# Altium PCB PCB_3U_DDS.PcbDoc (part 11 of 12)
Units mil, origin at the board's own origin, x right, y up, seen from the top; angles counter-clockwise.
Board outline 6338.37 x 3937 mil, 6 copper layers (L1, P2, L3, L4, P5, L6), stack 64.885 mil thick; 954 components, 537 nets, 3358 pads, 2342 vias.
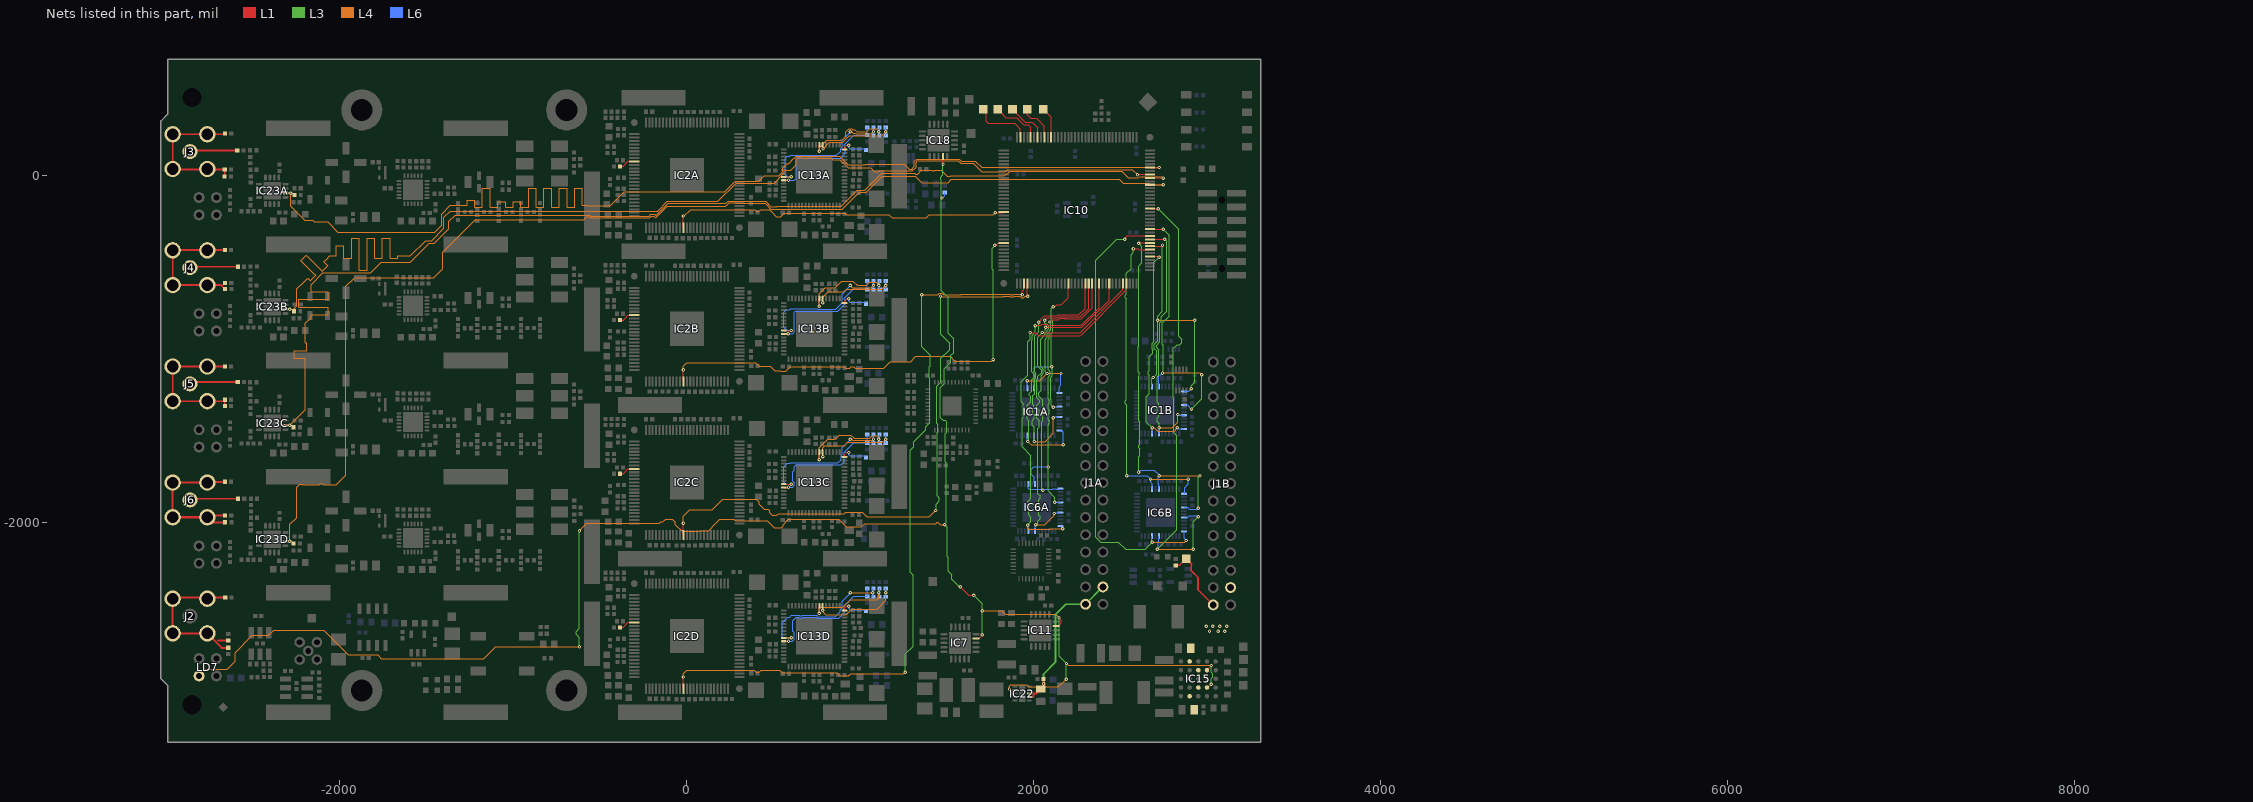
[diagram p15: the nets of this part, all layers, seen from the top]

## Via types
v1: diameter 19.68, hole 7.87, L1 to L6, tented both sides, 2254 vias
v2: diameter 23.62, hole 11.81, L1 to L6, tented both sides, 88 vias

## Nets (pads, with @x,y where several pads share a name; then routed paths per layer and width w, separated by ;. In a path a pad name is that pad's centre, name@x,y a point inside that pad or via, vN(x,y) a via of type N, cw(c..) or ccw(c..) an arc to the next point about the centre after c; other vN are vias at no path point) (continued)
P12V0: C64.2 C70.2 C181.2 C182.2 IC15.A2 IC15.B3 IC15.D3 IC15.E2 IC22.2 IC22.3 J1A.28 J1A.29 J1B.28 J1B.29 R33.2 TP18.1 | length 1358.5
  L1 w10: IC22.2@1974.41,-3007.98 1996.06,-3007.98 1998.03,-3006.01 1998.03,-2989.42 1999.16,-2988.29 ; IC22.3@1974.41,-2988.29 1999.16,-2988.29 ; C181.2@2056.25,-2905.2 v1(2056.25,-2931.2) 2056.25,-2947.79 C182.2@2041.34,-2962.7 2015.1,-2988.94 2014.45,-2988.29 1999.16,-2988.29 ; R33.2@2818.9,-2248.92 2839.76,-2248.92 TP18.1@2877.95,-2210.73 2907.48,-2240.26 ; 2908.52,-2241.3 2907.48,-2240.26 ; J1B.29@3034.65,-2477.66 2946.85,-2389.86 2946.85,-2319 2907.48,-2279.63 2907.48,-2240.26
  L3 w10: v1(2056.25,-2931.2) 2056.25,-2876.58 2124.47,-2808.35 2124.47,-2533.82 2184.99,-2473.3 J1A.29@2298.31,-2473.3 J1A.28@2398.31,-2373.3
  other v1: 3012.94,-2629.61 3062.15,-2629.61 3101.52,-2629.61 2993.25,-2600.08 3032.62,-2600.08 3071.99,-2600.08 3111.36,-2600.08
PGOOD: IC7.9 IC11.9 IC15.B4 IC15.D4 IC18.9 IC22.7 LD7.2 R53.1 | length 10758
  L1 w5.98: v1(1476.38,62.89) IC18.9@1476.38,108.17 ; v1(1575.93,-2373.7) 1625.14,-2422.92 v1(1654.67,-2422.92) ; IC7.9@1666.8,-2671.01 1686.43,-2671.01 1698.3,-2659.14 ; v1(1859.87,-2962.77) 1865.72,-2968.61 IC22.7@1891.73,-2968.61 ; IC11.9@2129.4,-2598.84 2143.18,-2598.84 2152.46,-2589.56 2152.46,-2586.41 2159.05,-2579.82 2159.05,-2566.68 v1@2149.75,-2557.39 ; IC15.D4@2998.43,-2953.54 3003.96,-2953.54 v1(3022.78,-2934.73) ; IC15.B4@2998.43,-2853.54 3022.78,-2829.19 v1(3022.78,-2826.46)
  L3 w5.98: v1(-618.95,-2718.19) -618.95,-2666.06 -637.77,-2647.25 -637.77,-2631.66 -618.95,-2612.84 v1@-618.95,-2048.9 ; v1(1476.38,62.89) 1476.38,1.42 1463.07,-11.89 1463.07,-27.48 1466.54,-30.94 1466.54,-131.58 1466.54,-665.46 1505.91,-704.83 1505.91,-911.58 1537.51,-943.19 1537.51,-1023.58 1522.51,-1038.58 1522.51,-1078.58 1483.69,-1117.4 1483.69,-1202.14 1461.35,-1224.48 1461.35,-1397.15 1477.95,-1413.75 1488.9,-1413.75 1499.35,-1424.2 1499.35,-1481.09 1489.04,-1491.4 1489.04,-1506.17 1489.04,-1638.4 1489.04,-1653.17 1494,-1658.14 1494,-2002.22 v1@1486.22,-2010 ; v1(1487.51,-2015.58) 1487.51,-2016.02 1500.08,-2028.58 1500.51,-2028.58 1500.51,-2200.99 1506.5,-2206.97 1506.5,-2283.13 1525.85,-2302.49 1525.85,-2329.1 1570.45,-2373.7 v1(1575.93,-2373.7) ; v1(1654.67,-2422.92) 1703.88,-2472.12 v1(1703.88,-2511.5) v1(1703.88,-2649.29) ; v1(2145.3,-2550.54) 2145.3,-2772.04 v1(2188.3,-2815.04) 2186.16,-2817.19 v1(2186.16,-2905.19) ; v1(3022.78,-2934.73) 3022.78,-2902.29 3032.71,-2892.36 3032.71,-2876.4 3022.78,-2866.47 v1(3022.78,-2826.46)
  L4 w5: v1(-618.95,-2048.9) -577.84,-2007.79 -160.13,-2007.79 -150.13,-1997.79 -137.68,-1997.79 -122.68,-1982.79 -85.13,-1982.79 -65.68,-2002.24 -65.68,-2014.24 -27.17,-2052.75 74.56,-2052.75 76.52,-2050.79 126.21,-2050.79 145.89,-2031.11 145.89,-2025.78 188.21,-1983.45 271.54,-1983.45 280.87,-1992.79 463.87,-1992.79 504.43,-2033.34 545.18,-2033.34 555.34,-2023.18 555.34,-2014.32 585.17,-1984.49 875.65,-1984.49 917.65,-2026.49 1006.35,-2026.49 1024.35,-2008.49 1435.35,-2008.49 1442.65,-2001.18 1447.68,-2001.18 1462.08,-2015.58 1466.54,-2015.58
  L4 w5.98: LD7.2@-2811.81,-2886.72 -2772.32,-2847.23 -2650.28,-2847.23 -2604.33,-2801.28 -2604.33,-2752.07 -2505.91,-2653.65 -2413.17,-2653.65 -2382.5,-2622.98 -2093.66,-2622.98 -1951.18,-2765.46 -1782.32,-2765.46 -1760.68,-2787.09 -1170.13,-2787.09 -1101.23,-2718.19 v1(-618.95,-2718.19) ; 1466.54,-2015.58 v1(1487.51,-2015.58) ; v1(1703.88,-2511.5) 1814.38,-2511.5 1834.79,-2531.91 2126.68,-2531.91 v1(2145.3,-2550.54) ; v1(1859.87,-2962.77) 1859.87,-2946.06 1866.85,-2939.08 1959.61,-2939.08 1970.55,-2950.02 2141.33,-2950.02 v1(2186.16,-2905.19) ; v1@2187.74,-2815.04 v1(2188.3,-2815.04) 2199.72,-2826.46 v1(3022.78,-2826.46)
  L6 w5.98: v1(1470.51,-131.58) 1474.31,-131.58 1486.51,-119.38 R53.1@1486.51,-100.09
R\E\_DE0: IC1A.1 IC1A.40 IC10.58 | length 1133
  L1 w5: v1(2062.6,-836.61) 2077.07,-822.14 2138.43,-822.14 2144.91,-815.66 2181.33,-815.66 2182.81,-817.15 2269.07,-817.15 2316.93,-769.29 IC10.58@2316.93,-624.12
  L3 w5: v1(2062.6,-836.61) 2062.6,-853.67 2066.51,-857.58 2073.92,-857.58 2086.38,-870.05 2086.38,-885.23 2077.68,-893.93 2077.68,-935.77 2066.84,-946.62 2066.84,-1132.33 v1(2077.89,-1143.39)
  L4 w5: v1(1962.6,-1185.57) 2035.72,-1185.57 v1(2077.89,-1143.39) v1(2156.64,-1143.39)
  L6 w5: IC1A.40@1962.6,-1228.45 v1(1962.6,-1185.57) ; IC1A.1@2147.64,-1256.01 2147.64,-1221.29 2156.64,-1212.29 v1(2156.64,-1143.39)
R\E\_DE1: IC1A.5 IC1A.42 IC10.52 | length 1053.8
  L1 w5: v1(2111.81,-757.87) 2121.65,-757.87 2131.5,-748.03 2157.87,-748.03 2198.82,-707.09 IC10.52@2198.82,-624.12
  L3 w5: v1(2111.81,-1338.58) 2100.18,-1326.95 2100.18,-1293.08 2098.93,-1291.84 2098.93,-1163.8 2107.2,-1155.53 2107.2,-1106.98 v1(2104.24,-1104.02) 2101.97,-1101.75 2101.97,-911.74 2110.45,-903.26 2110.45,-854.05 2110.45,-838.87 2101.97,-830.38 2101.97,-767.71 v1(2111.81,-757.87)
  L6 w5: IC1A.42@2001.97,-1228.45 2001.97,-1195.96 2001.95,-1111.07 2009,-1104.02 v1(2104.24,-1104.02) ; v1(2111.81,-1338.58) 2115.65,-1334.75 IC1A.5@2147.64,-1334.75
R\E\_DE2: IC1A.8 IC1A.19 IC10.57 | length 1469.6
  L1 w5: v1(2028.69,-848.11) 2044.27,-832.53 2044.27,-829.02 2062.14,-811.15 2133.88,-811.15 2139.37,-805.66 2185.47,-805.66 2185.97,-806.16 2260.37,-806.16 2297.24,-769.29 IC10.57@2297.24,-624.12
  L3 w5: v1(2003.54,-1535.43) 2003.54,-1454.43 1990.16,-1441.05 1990.16,-1415.46 2002.95,-1402.66 2002.95,-1381.34 1993.48,-1371.87 1993.48,-1356.68 1995.08,-1355.09 1995.08,-1347.87 2000.61,-1342.34 2000.61,-1327.16 1993.48,-1320.03 1993.48,-1271.88 2005.19,-1260.17 2005.19,-1176.09 2012.54,-1168.73 2012.54,-1144.45 2005.19,-1137.09 2005.19,-925.36 2028.69,-901.86 v1(2028.69,-848.11)
  L4 w5: v1(2003.54,-1535.43) 2065.06,-1535.43 2111.81,-1488.69 v1(2111.81,-1397.64)
  L6 w5: IC1A.19@2001.97,-1500.1 2001.97,-1533.86 v1(2003.54,-1535.43) ; v1(2111.81,-1397.64) 2115.65,-1393.8 IC1A.8@2147.64,-1393.8
R\E\_DE3: IC1A.12 IC1A.21 IC10.61 | length 1627.5
  L1 w5: v1(2009,-867.8) 2010.36,-866.44 2039.01,-866.44 2046.13,-859.31 2075.65,-859.31 2082.48,-866.14 2273.44,-866.14 2375.98,-763.6 IC10.61@2375.98,-624.12
  L3 w5: v1(1964.17,-1535.43) 1971.08,-1528.52 1971.08,-1415.74 1962.6,-1407.26 1962.6,-1386.26 1976.99,-1371.87 1976.99,-1356.68 1962.6,-1342.29 1962.6,-1325.89 1982.5,-1305.99 1982.5,-1274.38 1981.46,-1274.38 1974.74,-1267.65 1974.74,-1258.14 1986.83,-1246.05 1986.83,-1178.91 2001.56,-1164.18 2001.56,-1149 1986.83,-1134.27 1986.83,-953.02 1990.46,-949.39 1990.46,-922.1 2009,-903.56 v1(2009,-867.8)
  L4 w5: v1(1964.17,-1535.43) 1983.96,-1555.22 2028.54,-1555.22 2029.53,-1554.24 v1(2169.29,-1554.24)
  L6 w5: IC1A.21@1962.6,-1500.1 1962.6,-1533.86 v1(1964.17,-1535.43) ; IC1A.12@2147.64,-1472.54 2160.43,-1472.54 2169.29,-1481.4 v1(2169.29,-1554.24)
R\E\_DE4: IC6A.1 IC6A.40 IC10.64 | length 1737.3
  L1 w5: v1(2052.76,-1816.95) v1@2052.76,-1813.17 ; v1(2068.06,-877.64) 2277.48,-877.64 2435.04,-720.08 IC10.64@2435.04,-624.12
  L3 w5: v1(2052.76,-1816.95) 2046.63,-1810.83 2046.63,-1421.64 2052.76,-1415.52 2052.76,-1372.08 2052.54,-1371.87 2052.54,-1356.68 2052.76,-1356.47 2052.76,-1313.03 2052.54,-1312.81 2052.54,-1299 2028.13,-1274.59 2028.13,-1254.4 2042.91,-1239.62 2042.91,-1156.08 2055.85,-1143.14 2055.85,-1118.86 2039.88,-1102.88 2039.88,-945.4 2066.7,-918.58 2066.7,-888.15 2068.06,-886.79 v1(2068.06,-877.64)
  L6 w5: IC6A.40@1968.5,-1779.63 1968.5,-1805.71 1968.7,-1805.71 1974.02,-1811.02 2052.76,-1811.02 2110.01,-1811.02 2112.49,-1808.55 2127.67,-1808.55 2130.15,-1811.02 2149.71,-1811.02 IC6A.1@2153.54,-1807.19 ; v1(2052.76,-1816.95) v1@2052.76,-1813.17
R\E\_DE5: IC6A.5 IC6A.42 IC10.59 | length 1746.8
  L1 w5: v1(2092.13,-846.46) 2105.46,-833.12 2142.98,-833.12 2150.44,-825.66 2177.18,-825.66 2179.66,-828.13 2273.62,-828.13 2336.61,-765.14 IC10.59@2336.61,-624.12
  L3 w5: v1(2092.13,-846.46) 2097.37,-851.7 2097.37,-890.43 2088.67,-899.13 2088.67,-940.32 2082.28,-946.7 2082.28,-1121.86 2096.22,-1135.8 2096.22,-1150.98 2082.28,-1164.91 2082.28,-1255.76 2083.26,-1256.73 2083.26,-1291.7 2089.19,-1297.63 2089.19,-1312.81 2082.28,-1319.72 2082.28,-1349.78 2089.19,-1356.68 2089.19,-1371.87 2082.28,-1378.78 2082.28,-1408.83 2089.19,-1415.74 2089.19,-1430.92 2082.28,-1437.83 2082.28,-1566.31 2084.27,-1568.3 2084.27,-1583.48 2082.28,-1585.47 2082.28,-1682.24 2082.28,-1695.25 2083.29,-1696.25 2083.29,-1711.43 2082.28,-1712.44 2082.28,-1819.59 2121.65,-1858.96 2120.08,-1860.54 v1(2120.08,-1885.93)
  L6 w5: IC6A.42@2007.87,-1779.63 2003.4,-1775.15 2003.4,-1742.24 1986.59,-1725.44 1986.59,-1694.04 1998.4,-1682.24 v1(2083.4,-1682.24) ; v1(2120.08,-1885.93) IC6A.5@2153.54,-1885.93
R\E\_DE6: IC6A.8 IC6A.19 IC10.68 | length 2026.2
  L1 w5: v1(2048.37,-907.17) 2268.13,-907.17 2513.78,-661.52 IC10.68@2513.78,-624.12
  L3 w5: v1(2010.79,-2014.9) 2016.2,-2014.9 2023.23,-2007.87 2023.23,-1994.92 2036.04,-1982.1 2036.04,-1966.92 2028.92,-1959.79 2028.92,-1930.17 2036.04,-1923.05 2036.04,-1907.87 2028.92,-1900.74 2028.92,-1871.12 2036.04,-1863.99 2036.04,-1848.81 2023.23,-1836 2023.23,-1715.39 ; 2023.23,-1700.17 2023.23,-1460.34 2030.14,-1453.43 2030.14,-1415.74 2016.09,-1401.69 2016.09,-1386.21 2026.82,-1375.48 2027.18,-1375.48 2030.14,-1372.52 2030.14,-1356.68 2015.75,-1342.29 2015.75,-1327.2 2034.45,-1308.5 2034.45,-1299.32 2017.15,-1282.02 2017.15,-1179.66 2023.53,-1173.28 2023.53,-1159.93 2044.87,-1138.59 2044.87,-1123.41 2022.09,-1100.63 2022.09,-933.45 v1(2048.37,-907.17) ; 2023.25,-1715.37 2023.25,-1700.19
  L4 w5: v1(2010.79,-2014.9) 2062.69,-2014.9 2117.27,-1960.32 v1(2117.27,-1950.48)
  L6 w5: IC6A.19@2007.87,-2051.28 2007.87,-2017.82 v1(2010.79,-2014.9) ; v1(2117.27,-1950.48) 2117.27,-1949.34 2121.62,-1944.98 IC6A.8@2153.54,-1944.98
R\E\_DE7: IC6A.12 IC6A.21 IC10.69 | length 2178.5
  L1 w5: v1(1979.47,-907.17) 2010.14,-907.17 2029.83,-926.85 2268.13,-926.85 2275.22,-919.77
  L1 w6: 2275.22,-919.77 2533.46,-661.52 IC10.69@2533.46,-624.12
  L3 w5: v1(1964.17,-2017.72) 1983.86,-1998.03 1983.86,-1971.17 1969.49,-1956.8 1969.49,-1930.55 1976.99,-1923.05 1976.99,-1902.29 1965.55,-1890.85 1965.55,-1881.99 1983.86,-1863.69 1983.86,-1616.83 1932.09,-1565.06 1932.09,-1402.56 1940.33,-1394.31 1940.33,-1318.72 1927.54,-1305.92 1927.54,-1190.58 1964.51,-1153.6 1964.51,-959.81 1979.47,-944.84 v1(1979.47,-907.17)
  L4 w5: v1(1964.17,-2017.72) 1964.17,-2033.03 1971.52,-2040.37 2094.21,-2040.37 2095.52,-2039.06 v1(2166.48,-2039.06)
  L6 w5: v1(1964.17,-2017.72) 1968.5,-2022.05 IC6A.21@1968.5,-2051.28 ; IC6A.12@2153.54,-2023.72 2166.48,-2036.66 v1(2166.48,-2039.06)
R\E\_DE8: IC1B.1 IC1B.40 IC10.80 | length 1590.5
  L1 w6: IC10.80@2669.29,-409.55 2735.72,-409.55 v1(2741.73,-403.54)
  L3 w6: v1(2688.98,-1166.44) 2707.55,-1147.87 2707.55,-1012.05 2695.57,-1000.07 2695.57,-974.54 2714.57,-955.54 v1(2714.57,-835.73) 2714.57,-812.11 2741.73,-784.95 v1(2741.73,-403.54) ; v1(2908.46,-1230.42) 2908.46,-1214.67 2929.13,-1194 2929.13,-837.7 v1(2927.17,-835.73)
  L4 w6: v1(2714.57,-835.73) v1(2927.17,-835.73)
  L6 w6: IC1B.40@2681.1,-1218.61 2681.1,-1174.32 v1(2688.98,-1166.44) ; IC1B.1@2866.14,-1246.17 2892.72,-1246.17 v1(2908.46,-1230.42)
R\E\_DE9: IC1B.5 IC1B.42 IC10.85 | length 1554.6
  L1 w6: IC10.85@2669.29,-311.13 v1(2747.19,-311.13)
  L3 w6: v1(2741.73,-1141.73) 2745.2,-1138.26 2745.2,-979.51 2741.73,-976.04 2741.73,-852.14 2781.1,-812.77 2781.1,-345.04 v1(2747.19,-311.13) ; v1(2909.06,-1348.43) 2968.11,-1289.37 v1(2968.11,-1151.57)
  L4 w6: v1(2741.73,-1141.73) 2744.72,-1138.75 2955.28,-1138.75 v1(2968.11,-1151.57)
  L6 w6: IC1B.42@2720.47,-1232.39 IC1B.42@2720.47,-1218.61 2720.47,-1188.79 2718.97,-1187.29 2718.97,-1155.44 2724.23,-1150.17 2733.29,-1150.17 v1(2741.73,-1141.73) ; IC1B.5@2866.14,-1324.91 2885.54,-1324.91 v1(2909.06,-1348.43)
R\E\_DE10: IC1B.8 IC1B.19 IC10.82 | length 1467.5
  L1 w6: IC10.82@2669.29,-370.18 v1(2755.91,-370.18)
  L3 w6: v1(2722.05,-1456.69) 2722.05,-1431.85 2711.49,-1421.29 2711.49,-1399.89 2719.61,-1391.76 2719.61,-1376.16 2711.49,-1368.04 2711.49,-1340.83 2719.61,-1332.7 2719.61,-1317.11 2711.49,-1308.98 2711.49,-1160.88 2719.54,-1152.83 2719.54,-1007.09 2707.55,-995.11 2707.55,-979.51 2726.55,-960.51 2726.55,-850.37 2733.39,-843.53 2733.39,-815.92 2765.75,-783.57 2765.75,-380.02 v1(2755.91,-370.18)
  L4 w6: v1(2722.05,-1456.69) 2798.82,-1456.69 2830.31,-1425.2 2828.82,-1423.71 v1(2828.82,-1379.64)
  L6 w6: IC1B.19@2720.47,-1490.26 2722.05,-1488.69 v1(2722.05,-1456.69) ; v1@2830.31,-1377.95 2830.41,-1378.05 2836.32,-1383.96 IC1B.8@2866.14,-1383.96
R\E\_DE11: IC1B.12 IC1B.21 IC10.77 | length 1325.9
  L1 w6: IC10.77@2669.29,-468.61 2718.21,-468.61 v1(2722.05,-472.44)
  L3 w6: v1(2682.68,-1456.69) 2649.21,-1423.23 2649.21,-1276.65 2665.13,-1260.73 2665.13,-1152.49 2660.31,-1147.66 2660.31,-1132.07 2665.13,-1127.24 2665.13,-1048.11 2674.62,-1038.62 2675.12,-1038.62 2686.15,-1027.59 2686.15,-1007.6 2683.58,-1005.03 2683.58,-969.58 2691.66,-961.5 2691.66,-845.6 2690.38,-844.31 2690.38,-802.12 2691.66,-800.84 2691.66,-502.83 v1(2722.05,-472.44)
  L4 w6: v1(2682.68,-1456.69) 2695.42,-1456.69 2714.25,-1475.52 2808.35,-1475.52 v1(2827.15,-1456.72)
  L6 w6: IC1B.21@2681.1,-1490.26 2682.68,-1488.69 v1(2682.68,-1456.69) ; v1(2827.15,-1456.72) 2833.14,-1462.7 IC1B.12@2866.14,-1462.7
R\E\_DE12: IC6B.1 IC6B.40 IC10.79 | length 1958.8
  L1 w6: v1(2574.41,-423.23) 2580.42,-429.24 2581.15,-429.24 2586.3,-424.09 2601.89,-424.09 2607.04,-429.24 IC10.79@2669.29,-429.24
  L3 w6: v1(2535.04,-1732.28) 2535.04,-1325.84 2526.06,-1316.85 2526.06,-1301.26 2532.9,-1294.41 2532.9,-712.07 2527.04,-706.21 2527.04,-691.43 2532.9,-685.57 2532.9,-566.91 2561.19,-538.62 2561.19,-458.86 2574.41,-445.64 v1(2574.41,-423.23)
  L4 w6: v1(2672.83,-1751.97) v1(2889.37,-1751.97)
  L6 w6: v1(2535.04,-1732.28) 2653.15,-1732.28 v1(2672.83,-1751.97) 2672.83,-1771.65 2682.68,-1781.5 2682.68,-1807.58 IC6B.40@2681.1,-1809.16 ; IC6B.1@2866.14,-1836.72 2869.69,-1833.17 2869.69,-1801.18 2888.14,-1782.73 2889.37,-1782.73 v1(2889.37,-1751.97)
R\E\_DE13: IC6B.5 IC6B.42 IC10.81 | length 2150
  L1 w6: v1(2603.94,-393.7) 2607.77,-389.87 IC10.81@2669.29,-389.87
  L3 w6: v1(2603.94,-1712.6) 2603.81,-1712.47 2603.81,-1624.34 2609.43,-1618.73 2609.43,-1576 2605.78,-1572.35 2605.78,-1557.57 2609.43,-1553.92 2609.43,-1422.61 2603.94,-1417.12 2603.94,-1159.01 2608.39,-1154.55 2608.39,-1138.96 2602.53,-1133.09 2602.53,-986.99 2603.94,-985.58 2603.94,-524.58 2623.62,-504.9 2623.62,-413.39 v1(2603.94,-393.7) ; v1(2948.43,-1919.29) 2948.43,-1742.13 v1(2958.27,-1732.28)
  L4 w6: v1(2722.05,-1732.28) v1(2958.27,-1732.28)
  L6 w6: v1(2603.94,-1712.6) 2616.76,-1699.78 2694.81,-1699.78 2722.05,-1727.02 v1(2722.05,-1732.28) 2717.98,-1736.35 2717.98,-1778.82 2720.47,-1781.31 IC6B.42@2720.47,-1809.16 ; IC6B.5@2866.14,-1915.46 2888.08,-1915.46 2897.46,-1924.83 2942.88,-1924.83 v1(2948.43,-1919.29)
R\E\_DE14: IC6B.8 IC6B.19 IC10.91 | length 2724.5
  L1 w6: IC10.91@2669.29,-193.02 v1(2716.54,-193.02)
  L3 w6: v1(2712.2,-2155.51) 2823,-2044.72 2823,-1501.98 2807.21,-1486.2 2807.21,-1287.99 2805.12,-1285.89 2805.12,-998.98 2825.64,-978.46 2842.51,-978.46 2854.33,-966.64 2854.33,-946.95 2834.65,-927.27 2834.65,-311.13 v1(2716.54,-193.02) ; v1(2918.9,-2155.51) 2918.9,-1998.03 v1(2948.43,-1968.5)
  L4 w6: v1(2712.2,-2155.51) v1(2918.9,-2155.51)
  L6 w6: v1(2712.2,-2155.51) 2717.98,-2149.73 2717.98,-2113.11 2720.47,-2110.63 IC6B.19@2720.47,-2080.81 ; IC6B.8@2866.14,-1974.51 2884.14,-1974.51 2896.48,-1962.18 2942.1,-1962.18 v1(2948.43,-1968.5)
R\E\_DE15: IC6B.12 IC6B.21 IC10.83 | length 2638.6
  L1 w6: v1(2523.62,-370.18) 2523.62,-363.34 2537.33,-349.64 2542.45,-349.64 2543.31,-350.5 IC10.83@2669.29,-350.5
  L3 w6: v1(2523.62,-370.18) 2477.82,-370.18 2357.83,-490.17 2357.83,-2088.68 2385.29,-2116.14 2488.09,-2116.14 2529.53,-2157.58 2641.24,-2157.58 v1(2682.68,-2116.14)
  L4 w6: v1(2682.68,-2116.14) 2869.69,-2116.14 v1(2879.53,-2106.3)
  L6 w6: IC6B.21@2681.1,-2080.81 2681.1,-2114.57 v1(2682.68,-2116.14) ; IC6B.12@2866.14,-2053.25 2866.14,-2092.91 v1(2879.53,-2106.3)
RF_OUT0: C50A.2 J3.1 | length 275
  L1 w9.84: J3.1@-2864.17,135.72 -2857.68,142.21 C50A.2@-2591.84,142.21
RF_OUT1: C50B.2 J4.1 | length 278.7
  L1 w10: J4.1@-2864.17,-533.57 -2858.39,-527.79 C50B.2@-2587.84,-527.79
RF_OUT2: C50C.2 J5.1 | length 279.5
  L1 w10: J5.1@-2864.17,-1202.86 -2854.1,-1192.79 C50C.2@-2588.84,-1192.79
RF_OUT3: C50D.2 J6.1 | length 280
  L1 w10: J6.1@-2864.17,-1872.15 -2857.81,-1865.79 C50D.2@-2586.84,-1865.79
RFSW_CTRL0: IC10.103 IC23A.2 R20A.2 | length 6854.3
  L1 w5: IC23A.2@-2313.83,-103.03 -2284.88,-103.03 v1(-2284.13,-103.79) ; IC10.103@2669.29,43.2 v1@2722.87,43.2
  L4 w5: v1(-2284.13,-103.79) -2284.13,-178.79 -2202.13,-260.79 -2156.13,-260.79 -2147.13,-269.79 -2071.13,-269.79 -2013.13,-327.79 -1453.13,-327.79 -1414.13,-288.79 -1414.13,-224.79 -1364.13,-174.79 -1289.37,-174.79 -1267.19,-174.79 -1267.19,-145.95 -1222.82,-145.95 -1222.82,-174.79 -1222.82,-185.79 -1178.44,-185.79 -1178.44,-174.79 -1178.44,-74.79 -1134.07,-74.79 -1134.07,-174.79 -1134.07,-185.79 -1089.7,-185.79 -1089.7,-174.79 -1089.7,-152.29 -1045.33,-152.29 -1045.33,-174.79 -1045.33,-185.79 -1000.96,-185.79 -1000.96,-174.79 -1000.96,-154.25 -956.59,-154.25 -956.59,-174.79 -956.59,-185.79 -912.22,-185.79 -912.22,-174.79 -912.22,-74.79 -867.85,-74.79 -867.85,-174.79 -867.85,-185.79 -823.48,-185.79 -823.48,-174.79 -823.48,-74.79 -779.11,-74.79 -779.11,-174.79 -779.11,-185.79 -734.74,-185.79 -734.74,-174.79 -734.74,-74.79 -690.37,-74.79 -690.37,-174.79 -690.37,-185.79 -646,-185.79 -646,-174.79 -646,-74.79 -601.63,-74.79 -601.63,-174.79 -600.39,-174.79 -580.16,-174.79 -578.05,-176.89 -442.23,-176.89 -362.13,-96.79 218.73,-96.79 279.73,-35.79 415.87,-35.79 447.04,-4.62 529.71,-4.62 552.87,18.54 552.87,40.21 577.15,64.48 586.16,64.48 602.97,81.3 602.97,82.97 630,110 668.51,110 670.84,107.67 693.49,107.67 695.82,110 749.36,110 751.75,107.61 881.95,107.61 928.69,60.87 1028.06,60.87 1030.4,63.21 1253.19,63.21 1281.33,35.07 1295.7,35.07 1311.51,50.89 1311.51,78.99 1324.73,92.21 1569.02,92.21 1581,80.23 1663.85,80.23 1699.87,44.21 v1(2722.87,44.21)
RFSW_CTRL1: IC10.101 IC23B.2 R20B.2 | length 6826
  L1 w5: v1(2597.87,2.21) 2599.5,3.83 IC10.101@2669.29,3.83
  L4 w5: v1(-2288.09,-772.33) -2266.66,-772.33 -2247.78,-753.44 -2247.78,-655.44 -2208.57,-616.23 -2186.58,-594.24 -2171.15,-609.67 -2139.78,-578.3 -2155.21,-562.87 -2225.92,-492.16 -2194.54,-460.78 -2123.83,-531.49 -2102.54,-552.79 -2071.16,-521.41 -2092.46,-500.12 -2076.77,-484.43 -2057.13,-464.79 ; -2057.09,-464.79 -2020.85,-464.79 -2020.85,-407.63 -1976.48,-407.63 -1976.48,-464.79 -1976.48,-480.1 -1932.11,-480.1 -1932.11,-464.79 -1932.11,-364.79 -1887.74,-364.79 -1887.74,-464.79 -1887.74,-548.89 -1843.37,-548.89 -1843.37,-464.79 -1843.37,-364.79 -1799,-364.79 -1799,-464.79 -1799,-477.79 -1754.63,-477.79 -1754.63,-464.79 -1754.63,-364.79 -1710.26,-364.79 -1710.26,-464.79 -1710.26,-477.79 -1665.89,-477.79 -1665.89,-464.79 -1643.7,-464.79 -1594.13,-464.79 -1506.13,-376.79 -1470.13,-376.79 -1400.13,-306.79 -1400.13,-242.79 -1364.03,-206.69 -168.03,-206.69 -112.13,-150.79 178.87,-150.79 283.87,-45.79 502.69,-45.79 562.87,14.4 562.87,25.21 566.87,29.21 599.21,29.21 630,60 630,90 640,100 664.37,100 666.7,97.67 697.63,97.67 699.96,100 745.22,100 747.61,97.61 832.39,97.61 840,90 882.21,90 930,42.21 1059.02,42.21 1080.37,20.87 1102.06,20.87 1105.4,24.21 1298.98,24.21 1321.51,46.75 1321.51,74.85 1328.87,82.21 1564.87,82.21 1577.87,69.21 1651.87,69.21 1700.87,20.21 1834.87,20.21 1845.84,31.18 2568.91,31.18 v1(2597.87,2.21)
RFSW_CTRL2: IC10.100 IC23C.2 R20C.2 | length 6923.4
  L1 w5: IC10.100@2669.29,-15.85 2745.94,-15.85 v1(2746.87,-16.79)
  L4 w5: v1(-2288.09,-1441.62) -2199.13,-1352.65 -2199.13,-1309.06 -2199.13,-1055.81 -2262.81,-1055.81 -2262.81,-1011.44 -2199.13,-1011.44 -2190.66,-1011.44 -2190.66,-967.07 -2199.13,-967.07 -2199.13,-944.88 -2199.13,-854.79 -2166.13,-821.79 -2166.13,-804.9 -2066.13,-804.9 -2066.13,-760.53 -2166.13,-760.53 -2237.79,-760.53 -2237.79,-716.16 -2166.13,-716.16 -2066.13,-716.16 -2066.13,-671.79 -2166.13,-671.79 -2166.13,-649.61 -2166.13,-630.69 -2098.22,-562.79 -1960.13,-562.79 -1959.13,-563.79 -1823.63,-563.79 -1761.81,-501.97 -1595.31,-501.97 -1486.13,-392.79 -1456.13,-392.79 -1371.13,-307.79 -1371.13,-266.79 -1334.97,-230.63 -559.54,-230.63 -553.95,-236.22 -217.7,-236.22 -208.18,-226.7 -185.52,-226.7 -181.59,-230.63 -177.11,-230.63 -108.27,-161.79 225.6,-161.79 237.46,-149.93 291.93,-149.93 293,-151 455,-151 484.83,-180.83 518.99,-180.83 519.83,-180 889,-180 981,-88 1026,-88 1124.21,10.21 1314.02,10.21 1318.02,6.21 1330.83,6.21 1351.83,27.21 1412.73,27.21 1414.08,25.86 1428.44,25.86 1429.79,27.21 1466.87,27.21 1501.59,-7.5 1518.6,-7.5 1521.31,-4.79 1830.87,-4.79 1846.87,11.21 1852.93,11.21 1862.9,21.18 2507.91,21.18 2544.22,-15.13 2605.06,-15.13 2612.4,-7.79 2737.87,-7.79 v1(2746.87,-16.79)
RFSW_CTRL3: IC10.98 IC23D.2 R20D.2 | length 6922.5
  L1 w5: IC10.98@2669.29,-55.22 v1(2745.87,-55.22)
  L4 w5: v1(-2288.09,-2110.91) -2288.09,-2012.75 -2249.13,-1973.79 -2249.13,-1798.44 -2232.66,-1781.97 -2217.23,-1781.97 -2213.41,-1785.79 -2119.27,-1785.79 -2113.48,-1780 -2099.12,-1780 -2093.33,-1785.79 -2020.13,-1785.79 -1965.13,-1730.79 -1965.13,-641.79 -1914.13,-590.79 -1459.13,-590.79 -1408.13,-539.79 -1408.13,-443.79 -1220.24,-255.91 -593.32,-255.91 -578.05,-240.63 -563.68,-240.63 -558.1,-246.22 -213.56,-246.22 -204.03,-236.7 -189.67,-236.7 -180.14,-246.22 -180.09,-246.22 -174.51,-240.63 -172.97,-240.63 -112.13,-179.79 224.92,-179.79 244.79,-159.93 279.22,-159.93 281.3,-162 451,-162 485,-196 896,-196 994,-98 1035,-98 1126,-7 1317.09,-7 1353.87,-43.79 1505.87,-43.79 1524.87,-24.79 2493.87,-24.79 2514.87,-45.79 2659.86,-45.79 2669.29,-55.22 v1(2745.87,-55.22)